# KiCad board coco2.kicad_pcb (continued)
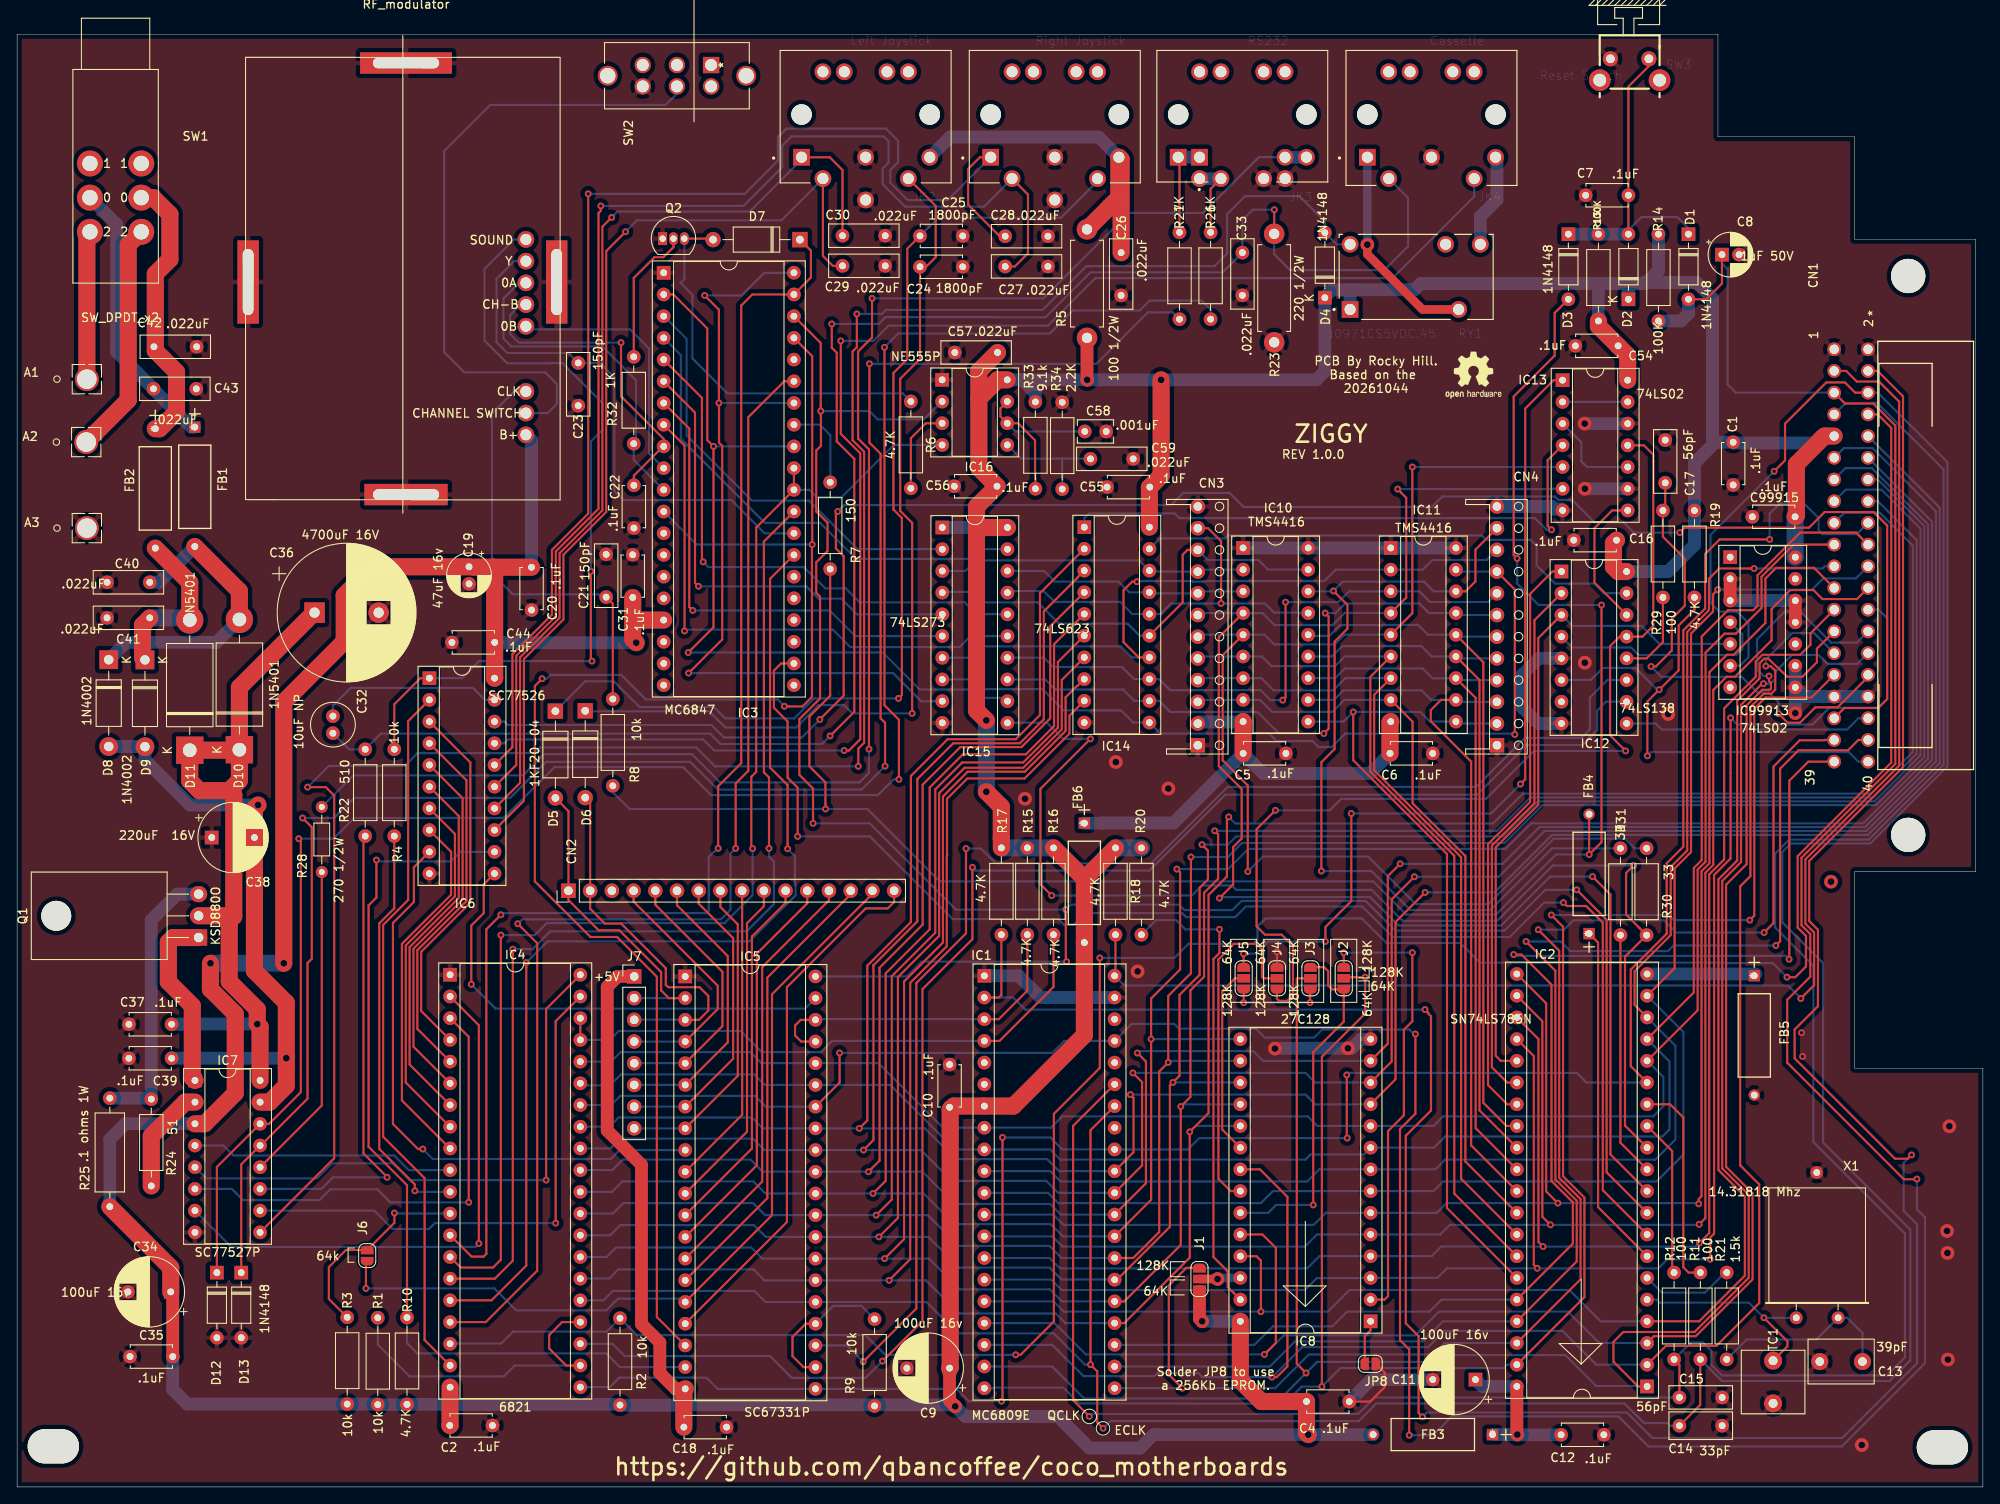
[diagram p0: board, top side]
## Routing (per net, layer and track width the routed paths; a pad name or vN(x,y) marks a point on that pad's centre or on a via; arc(x,y) is an arc through that point) (continued)
/peripherals/+SALT_VIN: length 89.2
  Top w2: D10.1 25.95,86.21 D11.1 20.2,82.61 21.33,81.49 24.83,81.49 ; D10.1 26.01,82.67 24.83,81.49 ; D10.1 26.01,93.56 34.76,102.31 C36.1 ; 24.83,66.25 24.83,59.15 28.1,55.88 v1(28.1,54.16) 28.43,53.83 IC7.16 ; 24.83,66.25 25.35,66.77 25.35,80.96 24.83,81.49 ; 24.83,66.25 24.24,66.83 Q1.2
  Bottom w1.5: v1(28.1,54.16) 19.23,54.16 19.21,54.14 C37.2
/peripherals/-SALT_VIN: length 73.2
  Top w1.5: 31.42,50.1 v1(31.5,50.18)
  Top w2: IC7.15 29.56,45.03 31.5,46.97 v1(31.5,50.18) 31.5,56.65 27.77,60.38 C38.2 27.77,79.38 v1(28.19,79.8)
  Bottom w1.5: C39.1 31.48,50.16 v1(31.5,50.18) ; 10.72,86.64 14.94,86.64 D9.2 14.96,85.06 20.22,79.8 v1(28.19,79.8)
/peripherals/CASS_DATA_IN: length 202.3
  Top w0.25: v2(147.09,149.46) 147.08,149.45 147.08,146.64 ; v2(95.32,136.09) 95.32,133.31 95.9,132.73 95.9,122.35 97.95,120.3 97.95,90.7 95.59,88.34 95.58,88.34 v2(95.12,87.88)
  Bottom w0.25: C32.1 38.83,86.32 R22.1 42.56,88.15 81.09,88.15 82.3,86.94 94.18,86.94 v2(95.12,87.88) ; v2(95.32,136.09) 100.8,136.09 101.59,136.88 114.69,136.88 114.7,136.87 120.32,136.87 125.58,142.13 141.05,142.13 C33.2 143.36,145.57 143.35,145.58 143.35,148.24 144.57,149.46 v2(147.09,149.46) ; JK4.4 162.74,150.84 162.74,145.18 159.94,142.38 148.95,142.38 147.08,144.25 147.08,146.64
/peripherals/CASS_DATA_OUT_TTL: length 65.4
  Top w0.25: IC4.2 54.03,54.02 v2(54.03,28.48)
  Bottom w0.25: v2(54.03,28.48) 53.63,28.08 25.06,28.08 20.81,32.33
/peripherals/CASS_M_IN_TTL: length 63.5
  Top w0.25: v2(63.01,30.86) 63.01,54.5 IC4.39
  Bottom w0.25: 28.43,32.33 41.79,32.33 43.94,30.18 48.18,30.18 48.86,30.86 v2(63.01,30.86)
/peripherals/CASS_MTR_OUT: length 248.8
  Top w0.25: 98.42,84.3 v2(98.42,84.33) 98.42,86.4 99.1,87.08 99.1,121.14 97.75,122.49 97.75,132.86 98.25,133.36 v2(98.25,137.26) ; IC7.9 37.1,38.46 37.1,80.9 36.11,81.89 v2(33.99,81.89)
  Bottom w0.25: 33.92,81.83 v2(33.99,81.89) 36.47,84.38 45.35,84.38 46.85,85.88 60.5,85.88 61.15,86.53 79.45,86.53 81.65,84.33 v2(98.42,84.33) ; v2(98.25,137.26) 101.18,137.26 101.65,137.73 119.98,137.73 125.11,142.86 140.12,142.86 141.57,144.31 141.57,148.95 143.66,151.04 150.04,151.04 153.01,148.07 D4.2 154.38,145.41 RY1.A2
/peripherals/CD_IN: length 217.6
  Top w0.25: 28.43,39.95 26.22,37.75 26.22,25.05 ; 28.43,39.95 28.5,39.95 33.97,45.43 33.97,61.3 34.47,61.8 34.47,77.2 v2(33.4,78.28) ; 28.43,39.95 28.43,39.96 ; v2(99.72,131.43) 99.72,122.21 101.03,120.9 101.03,89.95 101.55,89.43 v2(101.55,84.35)
  Bottom w0.25: 33.27,78.28 v2(33.4,78.28) 37.08,78.28 39.42,80.62 57.67,80.62 61.9,84.85 78.75,84.85 82,81.6 98.8,81.6 v2(101.55,84.35) ; v2(99.72,131.43) 126.26,131.43 132.28,137.45 135.2,137.45 R27.1
/peripherals/CD_OUT_TTL: length 68.9
  Top w0.25: IC4.40 61.9,55.93 v2(61.9,35.9)
  Bottom w0.25: v2(61.9,35.9) 45.9,35.9 43.93,37.87 36.85,37.87 35.1,36.12 22.1,36.12 IC7.5
/peripherals/CSS: length 157.2
  Top w0.25: D7.1 92.87,144.68 92.87,141.53 IC3.39 86.02,139.54 84.73,138.25 84.73,84.7 82.02,82 v2(82.02,74.72) ; v2(56.6,66.95) 54.9,65.25 54.9,27.28 54.58,26.95 53.17,26.95 51.47,28.65 51.46,28.65 IC4.13
  Bottom w0.25: v2(56.6,66.95) 56.8,67.15 80.65,67.15 80.93,67.43 80.93,73.73 81.53,74.33 81.63,74.33 v2(82.02,74.72)
/peripherals/GM1: length 125.3
  Top w0.25: v2(58,62.93) 58,26.47 55.89,24.37 IC4.15 ; v2(87.98,74.72) 87.98,83.03 87.37,83.62 87.37,110.62 90.89,114.14
  Bottom w0.25: v2(58,62.93) 60.3,62.93 62.4,65.03 85.37,65.03 88.55,68.2 88.55,73.18 87.98,73.75 v2(87.98,74.72)
/peripherals/GM2: length 123
  Top w0.25: IC4.16 55.51,21.83 59.58,25.9 v2(59.58,61.35) ; IC3.27 88.1,106.27 88.1,84.18 90.15,82.12 v2(90.15,74.68)
  Bottom w0.25: v2(90.15,74.68) 91,73.83 91,70.42 91.09,70.33 91.09,69.24 85.7,63.85 62.08,63.85 v2(59.58,61.35)
/peripherals/HI_LO: length 69.9
  Top w0.25: v2(47.47,39.54) 46.9,39.54 43.98,42.47 43.98,66 46.42,68.45 46.42,72.5 IC6.9
  Bottom w0.25: IC5.9 70.5,39.42 69.45,38.37 48.64,38.37 v2(47.47,39.54)
/peripherals/JOY0: length 146.2
  Top w0.25: C28.2 114.96,146.36 111.27,150.05 111.27,154.23 112.65,155.6 JK1.1 ; v2(66.82,151.32) 66.82,113.9 62.58,109.65 62.58,102.08 57.95,97.45 57.95,86.57 IC6.16
  Bottom w0.25: 66.81,151.32 v2(66.82,151.32) 85.13,151.32 89,155.19 89,157.94 90.01,158.95 101.64,158.95 103.08,157.51 103.08,155.02 102.17,154.11 102.17,152.61 104.2,150.58 108.87,150.58 113.89,155.6 JK1.1
/peripherals/JOY1: length 147.6
  Top w0.25: IC6.15 58.4,84.48 58.4,97.26 63.03,101.89 63.03,109.46 68.03,114.46 68.03,149.06 68.3,149.33 v2(68.3,149.9) ; JK1.2 118.27,151.23 118.27,144.35 116.74,142.82 C27.1
  Bottom w0.25: v2(68.3,149.9) 84.98,149.9 89.52,154.44 89.52,156.96 90.61,158.05 101.37,158.05 101.96,157.46 101.96,154.98 101.27,154.29 101.27,152.45 103.91,149.81 113.12,149.81 JK1.2
/peripherals/JOY2: length 113.2
  Top w0.25: JK2.1 95.08,155.6 96.57,154.11 C30.2 ; IC6.14 58.85,82.39 58.85,97.08 63.48,101.7 63.48,109.28 68.48,114.28 68.48,147.47 v2(69.57,148.56)
  Bottom w0.25: 69.56,148.55 v2(69.57,148.56) 70.25,149.24 85.7,149.24 91.78,155.32 JK2.1
/peripherals/JOY3: length 113.9
  Top w0.25: C29.1 95.44,142.89 94.28,144.05 JK2.2 ; v2(71.19,146.88) 68.93,144.62 68.93,114.09 63.93,109.09 63.93,101.52 59.3,96.89 59.3,80.3 IC6.13
  Bottom w0.25: JK2.2 93.31,152.13 93.31,152.09 89.44,148.22 72.53,148.22 v2(71.19,146.88)
/peripherals/KR1: length 38.2
  Top w0.25: D5.2 64.51,79.09 CN2.1 64.51,68.67 68.05,65.13 70.47,65.13 75.35,60.25 75.35,58.1 76.25,57.2 IC5.2
  Bottom w0.25: IC5.2 J7.2
/peripherals/KR2: length 43.3
  Top w0.25: IC5.3 79.79,54.66 80.87,55.75 80.87,57.45 79.85,58.47 76.23,58.47 75.9,58.72 75.9,60.7 70.67,65.93 68.77,65.93 67.05,67.65 CN2.2 67.05,80.08 D6.2
  Bottom w0.25: IC5.3 77.04,54.66 77.02,54.68 72.21,54.68 J7.3
/peripherals/KR3: length 30.2
  Top w0.25: IC5.4 81.98,55.93 81.98,58.65 72.13,68.5 CN2.4
  Bottom w0.25: 73.16,52.12 J7.4 72.21,52.11 78.16,52.11 IC5.4
/peripherals/KR4: length 31.2
  Top w0.25: CN2.5 74.67,68.13 82.52,60.28 82.52,53.94 IC5.5
  Bottom w0.25: IC5.5 J7.5
/peripherals/KR5: length 33.2
  Top w0.25: IC5.6 83.15,52.02 83.15,62.12 77.21,68.06 CN2.6
  Bottom w0.25: J7.6 72.21,47.05 77.03,47.05 77.04,47.04 IC5.6
/peripherals/KR6: length 35.2
  Top w0.25: IC5.7 83.77,50.11 83.77,64.22 79.75,68.25 CN2.7
  Bottom w0.25: IC5.7 J7.7
/peripherals/KR7: length 37.2
  Top w0.25: CN2.8 82.29,67.86 84.33,65.83 84.33,48.12 IC5.8
  Bottom w0.25: IC5.8 J7.8
/peripherals/SELA: length 56
  Top w0.25: v2(53.14,58.82) 53.14,65.69 54.6,67.15 54.6,70.52 IC6.11
  Bottom w0.25: IC5.39 92.19,55.98 55.98,55.98 v2(53.14,58.82)
/peripherals/SELB: length 106.9
  Top w0.25: R10.1 45.62,35.31 41.12,39.8 41.12,68.05 42.04,68.97 v2(42.04,73.36)
  Bottom w0.25: R10.1 45.62,16.83 46.83,15.62 68.94,15.62 70.54,14.02 IC5.19 ; 42.07,73.39 v2(42.04,73.36) 42.27,73.19 50.73,73.19 51.86,74.32 IC6.12
/peripherals/SER_DATA_IN_TTL: length 56.2
  Top w0.25: v2(52.84,33.31) 52.84,52.67 IC4.3
  Bottom w0.25: IC7.6 25.14,34.87 26.44,33.57 35.39,33.57 36.65,34.83 42.14,34.83 43.66,33.31 v2(52.84,33.31)
/peripherals/SER_DATA_OUT: length 37.5
  Top w0.25: 35.65,71.95 35.65,44.63 IC7.12
/peripherals/SER_DATA_OUT_TTL: length 31
  Bottom w0.25: 20.81,39.95 24.14,39.95 25.31,38.78 44.12,38.78 45.83,37.07 IC4.10
/peripherals/SERIAL_DATA_IN: length 224.7
  Top w0.25: v2(101.48,133.36) 101.48,91.47 103.17,89.78 v2(103.17,82.8) ; D12.1 23.38,37.44 28.43,42.49 29.49,42.49 33.2,46.2 33.2,75.6 v2(32.95,75.85)
  Bottom w0.25: v2(101.48,133.36) 103.09,134.97 120.83,134.97 123.53,137.67 131.35,137.67 132.5,138.82 138.6,138.82 139.64,137.78 R26.1 ; v2(32.95,75.85) 37,75.85 39.43,78.27 48.78,78.27 48.81,78.3 55.29,78.3 55.32,78.27 56.4,78.27 56.43,78.3 56.95,78.3 62.87,84.23 77.92,84.23 81.2,80.95 100.7,80.95 102.55,82.8 v2(103.17,82.8)
/peripherals/~{A}_G: length 145.4
  Top w0.25: v2(84.08,74.72) 84.08,82.33 85.55,83.8 85.55,125.17 89.76,129.38 IC3.35 ; IC4.17 54.84,19.29 60.85,25.3 60.85,63.62 v2(58.58,65.9)
  Bottom w0.25: v2(84.08,74.72) 83.47,74.12 83.47,67.54 82.35,66.43 59.1,66.43 v2(58.58,65.9)
/peripherals/~{INT}_EXT: length 148.5
  Top w0.25: v2(56.6,64.58) 56.6,26.6 55.67,25.67 51.9,25.67 IC4.14 ; IC3.31 IC3.30 86.48,112.27 86.48,83.68 85.9,83.1 85.9,74.85 v2(86.05,74.7)
  Bottom w0.25: v2(86.05,74.7) 86.05,69.25 82.77,65.97 61.97,65.97 60.58,64.58 v2(56.6,64.58) ; IC16.4 102.58,121.93 96.49,115.84 93.53,115.84 92.69,116.68 IC3.30
/Q: length 288.2
  Top w0.25: v2(125.45,8.25) 123.55,10.15 123.55,42.25 IC1.35 ; R12.1 194.49,14.3 C15.2
  Bottom w0.25: C15.2 158.83,10.47 156.89,8.53 125.73,8.53 v2(125.45,8.25) ; CN1.7 213.94,126.85 217.61,126.85 225.4,119.06 225.4,84.51 216.64,75.75 207.33,75.75 205.7,74.12 205.7,65.46 210.16,61 210.16,40.36 220.88,29.64 220.88,15.18 218.75,13.05 199.46,13.05 198.25,14.26 198.25,15.91 197.26,16.9 195.84,16.9 R12.1 193.67,14.93 193.64,14.9
/roms/128K_ROM_~{CE}: length 99.3
  Top w0.25: v2(153.07,63.83) 153.07,65.53 156.1,68.55 v2(156.1,78.8) ; IC13.1 179.77,129.51 176.45,126.19 176.45,82.8 v2(175.9,82.25) ; v2(143.5,62.4) 143.5,60.83 143.51,60.82
  Bottom w0.25: 143.27,62.4 v2(143.5,62.4) 144.98,62.4 146.4,63.83 v2(153.07,63.83) ; v2(175.9,82.25) 172.45,78.8 v2(156.1,78.8)
/roms/A11_OR_A12: length 41.6
  Top w0.25: v2(151.65,33) 151.65,50.88 155.22,54.44 J2.1 154.47,58.22 154.47,58.22 153.85,58.22 153.4,58.68 153.4,60.35 152.93,60.82 151.32,60.82
  Bottom w0.25: v2(151.65,33) 147.3,33 146.38,32.08 IC8.23
/roms/A12_OR: length 53.3
  Top w0.25: IC8.2 160,21.92 160.4,22.33 160.4,41.64 162.25,43.49 162.25,53.5 163.25,54.5 v2(163.25,62.52) ; 155.22,60.82 v2(155.22,62.52)
  Bottom w0.25: v2(155.22,62.52) v2(163.25,62.52)
/roms/A13_VCC: length 5
  Top w1: v1(140.45,24.33) J1.2 ; IC8.26 142.99,24.33
  Bottom w1: IC8.26 140.58,24.46 v1(140.45,24.33)
/roms/~{CE_}A11: length 22.3
  Top w0.25: J5.2 142.51,59.52 141,58.01 141,41.82 IC8.20
/roms/~{CS_BASIC}: length 115.3
  Top w0.25: v2(147.23,79.18) 145.02,76.97 145.02,65.6 146,64.62 147.95,64.62 149.27,63.3 149.27,57.52 148.62,56.88 147.65,56.88 147.4,57.12 147.4,57.71 147.41,57.72 J4.3 ; IC13.11 190.34,121.89 191.43,120.8 191.43,120 191.43,119.99 191.43,100.76 190.18,99.5 IC12.13 188.24,99.58 187.57,99.58 186.38,98.38 186.38,87.95 v2(188.2,86.12)
  Bottom w0.25: v2(147.23,79.18) 153.57,79.18 154.93,80.53 171.88,80.53 177.48,86.12 v2(188.2,86.12)
/roms/~{ROM_OE}: length 40
  Top w0.25: J4.2 145.83,59.52 145.65,59.7 145.65,62.9 145,63.55 142.38,63.55 140.55,61.72 140.55,36.06 141.99,34.62 IC8.22
/R~{W}: length 258.7
  Top w0.25: v2(115.18,10.03) 115.29,10.14 v2(115.29,40.89) ; 190.71,47.32 188.8,49.23 188.8,60.54 193,64.74 193,72.97 194.95,74.92 194.95,100.24 197.5,102.79 197.5,109.17 199.21,110.88 v2(205.05,110.88) ; v2(155.57,48.21) 155.57,40.88 v2(155.62,40.83)
  Bottom w0.25: v2(155.62,40.83) 138.33,40.83 136.99,39.49 IC1.32 127.28,39.49 127.26,39.51 122.27,39.51 120.89,40.89 v2(115.29,40.89) ; 190.71,47.32 183.62,47.32 182.49,48.45 155.81,48.45 v2(155.57,48.21) ; v2(205.05,110.88) 205.05,113.9 206.23,115.08 209.07,115.08 210.78,113.38 210.78,111.95 211.23,111.5 215.25,111.5 CN1.18 ; v2(115.18,10.03) 111.36,10.03 109.91,11.48 IC5.21 81.95,11.48 80.65,12.78 70.46,12.78 69.35,11.67 IC4.21
/sam/DA0: length 165.8
  Top w0.25: IC2.8 185.52,34.73 185.52,66.03 183.57,67.98 181.32,67.98 v2(180.93,68.38) ; v2(91.33,76.12) 91.33,81.83 90.15,83 90.15,89.58 88.55,91.17 88.55,95.53 89.39,96.36 IC3.22
  Bottom w0.25: v2(180.93,68.38) 178.68,68.38 174.65,64.35 160.95,64.35 157.38,67.93 143.77,67.93 142.52,66.68 136.77,66.68 136.3,67.15 124.95,67.15 123.58,65.78 122.5,65.78 121.83,66.45 109.45,66.45 99.77,76.12 v2(91.33,76.12)
/sam/~{CS_EXTENDED_BASIC}: length 16.5
  Top w0.25: IC13.8 186.62,114.27 184.55,112.2 184.55,105.83 188.31,102.07 IC12.14
/sam/~{RAS_}CP: length 141.4
  Top w0.25: v2(125.58,87.54) 119.73,81.69 119.73,70.53 v2(121.05,69.2) 121.23,69.2 ; IC2.12 188.12,42.29 188.12,62.04 R30.2 188.25,66.97 188.25,71.85 v2(189.12,72.72)
  Bottom w0.25: v2(189.12,72.72) 179.68,72.72 176.4,69.45 176.38,69.45 173.18,66.25 162.1,66.25 158.48,69.88 142.62,69.88 142.12,70.38 138.6,70.38 137.43,69.2 v2(121.05,69.2) ; IC15.11 117,89.41 117.02,89.43 120.48,89.43 122.37,87.54 v2(125.58,87.54)
/VDGCLK: length 235
  Top w0.25: 183.95,78.47 183.93,78.44 183.93,74 v2(183.93,74) 185.38,75.44 v2(185.38,103.2) ; D3.2 179.9,137.38 179.9,132.4 175.1,127.6 175.1,109.05 v2(175.5,108.65) ; R7.1 95.13,92.58 92.7,90.15 92.7,84.33 94.58,82.45 94.58,79.91 94.59,79.9 v2(94.59,79.33)
  Bottom w0.25: v2(183.93,74) 180.06,74 173.03,66.97 162.55,66.97 158.66,70.86 107.95,70.86 99.48,79.33 v2(94.59,79.33) 71.66,79.33 69.7,81.29 R8.2 ; v2(185.38,103.2) 178.03,103.2 175.5,105.73 v2(175.5,108.65)
/video/DD0: length 50.5
  Bottom w0.25: IC15.2 98.33,109.73 92.64,115.42 85.97,115.42 78.33,123.06 78.33,134.35 75.68,137 75.65,137
/video/DD1: length 57.1
  Bottom w0.25: IC15.19 112.86,109.73 111.73,108.6 98.16,108.6 93.95,112.81 87.49,112.81 77.67,122.63 77.67,132.44 IC3.4
/video/DD2: length 63.8
  Top w0.25: 75.65,131.92 80.12,127.45 80.12,108.4 v2(80.27,108.25)
  Bottom w0.25: 80.2,108.32 v2(80.27,108.25) 80.87,107.65 92.05,107.65 94.54,105.16 96.93,105.16 98.57,103.52 110.85,103.52 112.23,102.14 114.71,102.14 114.74,102.11 IC15.16
/video/DD3: length 55.6
  Top w0.25: IC3.6 79.32,125.72 79.32,105.79 v2(79.71,105.39)
  Bottom w0.25: v2(79.71,105.39) 92.33,105.39 93.77,103.95 96.43,103.95 98.27,102.11 IC15.5
/video/DD4: length 56.1
  Top w0.25: 75.65,126.84 78.65,123.84 78.65,102.97 v2(79.05,102.57)
  Bottom w0.25: v2(79.05,102.57) 95.06,102.57 98.06,99.57 IC15.6
/video/DD5: length 64.4
  Top w0.25: IC3.8 78.09,121.86 v2(78.09,100.16)
  Bottom w0.25: v2(78.09,100.16) 78.24,100.31 95.45,100.31 97.48,98.28 110.27,98.28 111.55,99.56 114.73,99.56 114.74,99.57 IC15.15
/video/DD6: length 95.3
  Top w0.25: IC3.2 76.78,139.54 80.75,135.57 80.75,122.5 v2(81.48,121.77) 81.48,100.6 v2(78.52,97.64)
  Bottom w0.25: v2(78.52,97.64) 101.27,97.64 105.59,93.32 111.61,93.32 112.6,92.33 115.49,92.33 IC15.12 ; v2(81.48,121.77) 89.75,121.77 89.76,121.76 90.89,121.76
/video/DD7: length 98.1
  Top w0.25: v2(80.44,139.43) 82.11,137.76 v2(82.11,126.84) 82.12,126.83 82.12,122.2 82.5,121.82 82.5,99.17 v2(78.56,95.23)
  Bottom w0.25: 82.1,126.84 v2(82.11,126.84) 90.89,126.84 ; IC15.9 107.12,91.95 107.1,91.93 105.79,91.93 102.49,95.23 v2(78.56,95.23) ; IC3.40 87.42,142.08 84.77,139.43 v2(80.44,139.43)
/video/RF_SND: length 92.8
  Top w0.25: v2(67.26,96.63) 67.13,96.76 v2(67.13,107.14) ; IC6.1 47.19,94.64 44.13,91.58 R4.1
  Bottom w0.25: v2(67.26,96.63) 54.05,96.63 52.06,94.64 IC6.1 ; MDV-6.8 58.15,145.98 54.69,142.52 54.69,134.15 57.35,131.49 62.36,131.49 62.37,131.5 63.83,131.5 68.48,126.85 68.48,123.7 67.13,122.35 v2(67.13,107.14)
/~{CART}: length 280.2
  Top w0.25: CN1.8 217.69,125.51 219.28,123.93 219.28,84.76 208.32,73.81 208.32,65.45 209.3,64.47 209.3,60.9 208.05,59.65 v2(207.07,59.65) ; v2(116.84,15.46) 117.41,15.46 121.3,19.35 121.3,43.65 126.67,49.03 v2(126.67,61.9)
  Bottom w0.25: IC4.18 50.69,16.78 56.63,16.78 58.01,18.16 68.96,18.16 R2.1 72.51,17.77 99.25,17.77 101.56,15.46 v2(116.84,15.46) ; v2(207.07,59.65) 205.43,61.3 200,61.3 199.95,61.35 171.15,61.35 168.85,63.65 160.23,63.65 157.35,66.53 146.07,66.53 145.12,65.58 145.12,64.08 144.6,63.55 137.05,63.55 135.4,61.9 v2(126.67,61.9)
/~{CS_PIA0}: length 160.7
  Top w0.25: 105.23,58.95 105.23,58.97 111.02,64.77 v2(111.02,74.7) ; v2(98.99,14.65) 105.21,20.87 105.21,58.95
  Bottom w0.25: 110.82,74.7 v2(111.02,74.7) 112.77,74.7 114.49,72.98 132.68,72.98 132.69,72.97 141.64,81.92 170.71,81.92 176.44,87.65 183,87.65 184.01,88.66 184.01,92.37 186.08,94.44 187.16,94.44 187.18,94.42 IC12.11 ; v2(98.99,14.65) 97.08,16.56 IC5.23
/~{CSPIA1}: length 186.2
  Top w0.25: v2(101.25,14.72) 105.92,19.4 105.92,58.25 111.77,64.09 v2(111.77,72.5)
  Bottom w0.25: IC12.10 185.9,91.88 184.85,90.83 184.85,88.54 183.13,86.82 176.64,86.82 170.83,81.01 141.37,81.01 132.48,72.12 112.15,72.12 v2(111.77,72.5) ; IC4.23 69.65,16.75 71.09,15.31 88.09,15.31 90.63,12.77 99.3,12.77 v2(101.25,14.72)
/~{CTS}: length 56
  Top w0.25: v2(206.1,90.48) 207.15,89.42 208.59,89.42 210.39,91.23 213,91.23 216.56,94.79 CN1.32 ; C17.2 192.83,114.52 R29.1 192.56,111.19 195.12,108.63 195.12,103.12 193.6,101.6 193.6,97.87 191.74,96.01 v2(191.17,96.01)
  Bottom w0.25: v2(206.1,90.48) 206.1,91.8 204.93,92.97 203.6,92.97 201.78,94.8 192.38,94.8 v2(191.17,96.01)
/~{FIRQ}: length 68.6
  Top w0.25: IC4.38 IC4.37 ; IC1.4 114.94,52.19 121.26,58.51 R16.2
  Bottom w0.25: IC4.37 69.35,52.31 70.39,53.35 84.65,53.35 87.13,50.87 94.03,50.87 95.35,52.19 IC1.4
/~{FS}: length 183.1
  Top w0.25: v2(61.42,94.58) 60.58,93.73 60.58,70.86 67.08,64.35 70.2,64.35 74.85,59.7 74.85,19.88 IC5.18 ; IC3.37 93.02,132.32 v2(93.02,110.27) 93,110.25 93,92.45 91.87,91.33 90.37,91.33 90.34,91.35 v2(89.77,91.35)
  Bottom w0.25: v2(93.02,110.27) 79.52,110.27 75.65,114.14 ; v2(89.77,91.35) 88.98,92.15 73.55,92.15 70.67,95.03 62.44,95.03 61.99,94.58 v2(61.42,94.58)
/~{HALT}: length 170.8
  Top w0.25: v2(208.7,57.16) 210.25,58.71 210.25,64.89 209.23,65.91 209.23,73.44 220.2,84.41 220.2,127 217.85,129.35 215.25,129.35 214.01,130.59 CN1.3 ; IC1.40 128.51,59.91 R18.2
  Bottom w0.25: IC1.40 129.55,58.67 207.19,58.67 v2(208.7,57.16)
/~{HS}: length 254.6
  Top w0.25: 90.89,137 94.02,133.87 94.02,126.46 94.03,126.46 v2(94.03,125.89) 94.03,125.32 94.05,125.3 94.05,121.83 93.5,121.28 93.5,114.15 94.83,112.83 94.83,109.53 93.5,108.2 93.5,104.62 93.95,104.18 93.95,92.28 91.52,89.85 91.52,83.33 93.12,81.73 v2(93.12,77.65) ; v2(182.48,69.88) 185.98,66.38 185.98,36.81 IC2.9 ; v2(122.79,61.46) 122.7,61.55 v2(122.7,67.55)
  Bottom w0.25: v2(122.79,61.46) 105.82,61.46 104.1,59.74 IC5.40 ; v2(182.48,69.88) 178.8,69.88 174.03,65.1 161.25,65.1 157.77,68.58 143.25,68.58 142.18,67.5 136.59,67.5 135.96,68.12 123.27,68.12 v2(122.7,67.55) 109.85,67.55 99.75,77.65 v2(93.12,77.65) ; IC16.2 107.43,126.21 107.36,126.21 106.08,124.93 100.68,124.93 99.72,125.89 v2(94.03,125.89)
/~{IRQ}: length 39.3
  Top w0.25: IC5.38 92.28,54.66 92.27,54.65 91.67,54.65 91.02,54 91.02,52.83 91.73,52.12 IC5.37 ; 113.17,54.73 114.86,54.73 118.2,58.08 R15.2
  Bottom w0.25: 113.17,54.73 93.48,54.73 IC5.38
/~{NMI}: length 307.5
  Top w0.25: v2(164.73,55.86) 165.12,55.46 165.12,55.38 165.43,55.08 165.43,44.05 162.48,41.1 162.48,19.15 163.98,17.65 163.98,8.65 v2(164.43,8.2) 164.33,8.3 ; CN1.4 217.69,130.59 220.65,127.63 220.65,84.23 209.68,73.25 209.68,66.22 210.7,65.2 210.7,56.25 207.98,53.53 207.98,50.15 219.73,38.4 221.2,38.4 v2(221.65,38.85) ; R17.2 115.16,57.56 114.87,57.27 IC1.2
  Bottom w0.25: 164.87,55.86 v2(164.73,55.86) 117.95,55.86 116.54,57.27 IC1.2 ; v2(221.65,38.85) 220.73,37.93 220.73,32.3 222.3,30.72 222.3,14.5 213.53,5.72 191.32,5.72 188.35,8.7 164.93,8.7 v2(164.43,8.2)
/~{RESET}: length 395
  Top w0.25: D1.2 197.63,138.98 199.47,140.82 C8.1 ; v2(96.23,50.79) 96.23,47.32 IC5.34 ; v2(222.28,36.03) 222.25,36 220.75,36 207.1,49.65 207.1,57 209.8,59.7 209.8,64.7 208.78,65.72 208.78,73.63 219.75,84.6 219.75,124.2 217.18,126.78 213.87,126.78 CN1.5 ; v2(163.6,53) 163.6,43.68 161.8,41.88 161.8,17.18 162.88,16.1 v2(162.88,6.05)
  Bottom w0.25: IC4.34 69.5,44.69 70.57,45.76 86.33,45.76 87.59,44.5 IC5.34 ; v2(222.28,36.03) 222.28,32.5 223.23,31.55 223.23,14.47 213.48,4.72 190.88,4.72 187.35,8.25 167.85,8.25 165.65,6.05 v2(162.88,6.05) ; CN1.5 201.08,128.05 200.13,129 200.13,142.49 199.47,143.15 C8.1 ; v2(96.23,50.79) 121.12,50.79 122.52,52.19 IC1.37 129.28,53.06 129.28,53.07 130.39,54.18 135.38,54.18 135.94,53.62 144.93,53.62 145.97,52.58 151.76,52.58 152.71,53.53 162.9,53.53 163.42,53 v2(163.6,53)
  Bottom w1.5: D1.2 195.55,137.85 195.57,137.83 195.57,137.33 194.68,136.44 R14.2
/~{SCS}: length 29.1
  Bottom w0.25: IC12.9 191.73,89.34 192.43,88.64 214.12,88.64 215.43,89.95 CN1.36
/~{SLENB}: length 60.4
  Top w0.25: v2(190.74,85.55) 190.74,91.91 v2(192.12,93.29) 192.14,93.29 194.4,95.55 194.4,100.8 196.25,102.65 R19.2
  Bottom w0.25: IC12.6 181.82,94.42 181.84,94.44 184.15,94.44 185.54,95.83 189.35,95.83 191.89,93.29 v2(192.12,93.29) ; v2(190.74,85.55) 191.19,86 214.3,86 215.43,84.87 CN1.40
Net-(A1-Pad1): length 17.4
  Top w2: A1.1 8.16,146.51 SW1.3
Net-(A2-Pad1): length 27.3
  Top w2: SW1.6 13,145.35 13,127.18 A2.1
Net-(C7-Pad1): length 37.9
  Top w0.25: D2.2 C7.1 188.53,163.88 190.92,166.27 SW3.1
  Bottom w0.25: D2.2 188.53,147.08 190.05,148.6 194.23,148.6 195.55,147.28 D1.1
  Bottom w1.5: D3.1 D2.2
Net-(C11-Pad1): length 18.7
  Top w1.5: IC2.40 175.47,6.28
  Bottom w1.5: IC2.40 171.43,11.76 C11.1 ; C12.2 175.65,6.1 175.57,6.18 v1(175.53,6.12) FB3.1
Net-(C13-Pad1): length 22.2
  Bottom w0.25: C13.1 215.91,18 214.12,19.79 X1.1 210.52,17.25 202.35,17.25 200,14.9 199.8,14.9
Net-(C21-Pad2): length 50.5
  Top w0.25: C21.2 69.7,103.35 R8.1
  Bottom w0.25: C21.2 68.35,104.13 68.02,104.46 57.99,104.46 55.56,106.89 55.56,125.61 58.15,128.2 59.53,128.2
Net-(C22-Pad1): length 38.2
  Top w0.25: v2(70.66,133.91) 70.66,127.63 75.65,122.63 75.65,121.76 75.58,121.76 72.16,118.34 C22.1
  Bottom w0.25: v2(70.66,133.91) 58.69,133.91 57.67,134.93 57.67,137.11 58.92,138.36 MDV-6.5
Net-(C23-Pad2): length 63.6
  Bottom w0.25: MDV-6.7 58.15,143.44 56.09,141.38 56.09,133.96 57.36,132.69 64.49,132.69 C23.2 68.18,131.53 69.88,129.83 69.88,116.55 70.95,115.48 83.59,115.48 87.47,111.6 IC3.28
Net-(C24-Pad1): length 107.8
  Top w0.25: v2(104.72,90.52) 104.72,112.82 103.33,114.21 103.33,129.68 105.64,131.99 C24.1 106.36,142.78 107.48,143.9 107.48,149.91 JK2.4
  Bottom w0.25: v2(104.72,90.52) 97.72,90.52 96.75,91.49 93.78,91.49 91.16,88.87 82.87,88.87 80.97,90.77 65.77,90.77
Net-(C25-Pad1): length 124.8
  Top w0.25: v2(103.12,92.27) 103.52,92.67 103.52,113.38 102.52,114.38 102.52,130.35 104.15,131.98 104.15,144.9 C25.1
  Bottom w0.25: 62.28,90.73 62.93,90.73 66.48,94.28 69.81,94.28 72.83,91.26 81.52,91.26 82.85,89.93 90.93,89.93 93.27,92.27 v2(103.12,92.27) ; C25.1 107.78,148.53 122.14,148.53 126.41,152.8 JK1.4
Net-(C26-Pad1): length 45.3
  Top w2: 125.18,147.16 128.91,150.89 JK1.5 129.17,155.34 C26.1
  Bottom w1.5: JK1.5 126.55,157.96 109.14,157.96 JK2.5
Net-(C32-Pad2): length 21.6
  Bottom w0.25: IC6.19 54.73,92.1 53.32,93.51 39.05,93.51 36.95,91.41 C32.2
Net-(C40-Pad1): length 35.3
  Top w2: D10.2 26.01,104.83 FB1.2
  Bottom w1.5: 15.87,105.86 C40.1 16.61,105.86 20.79,110.04 FB1.2 ; D8.1 12.75,98.83 23.33,98.83 D10.2
Net-(C41-Pad1): length 20.2
  Top w2: C41.1 14.67,100.85 14.67,97.07 D9.1 ; D11.2 20.2,105.83 FB2.2
  Bottom w2: C41.1 19.95,101.7 D11.2
Net-(C42-Pad1): length 32.3
  Top w2: FB2.1 16.68,123.83 18.65,125.8 18.65,130.48 16.17,132.96 16.17,141.94 17.88,143.65 17.88,148.93 15.93,150.87 SW1.5
Net-(C43-Pad1): length 32.2
  Bottom w1.5: SW1.2 11.65,147.74 11.65,132.81 C43.1 15.96,128.45 20.39,124.02 FB1.1
Net-(C58-Pad1): length 22.4
  Top w0.25: R33.1 119.14,117.94 119.1,117.98 119.1,122.48 117.11,124.47 IC16.6 115.05,125.27 115.05,126.21 IC16.7
  Bottom w0.25: IC16.6 116.81,123.51 C58.1
Net-(C59-Pad1): length 14
  Bottom w0.25: C59.1 125.55,120.33 122.28,120.33 122.27,120.32 ; R34.2 122.28,120.31 122.27,120.32 ; IC16.5 117.45,120.33 122.26,120.33 122.27,120.32
Net-(CN2-Pad9): length 35.6
  Top w0.25: 78.17,36.88 84.83,43.54 CN2.9
Net-(CN2-Pad10): length 39.2
  Top w0.25: CN2.10 87.37,67.94 85.4,65.97 85.4,41.57 IC5.11
Net-(CN2-Pad11): length 42.8
  Top w0.25: IC5.12 85.98,39.61 85.98,64.4 89.91,68.34 CN2.11
Net-(CN2-Pad12): length 46.4
  Top w0.25: CN2.12 92.45,68.3 86.55,62.4 86.55,37.64 IC5.13
Net-(CN2-Pad13): length 50
  Top w0.25: IC5.14 87.17,35.72 87.17,60.83 94.99,68.64 CN2.13
Net-(CN2-Pad14): length 53.6
  Top w0.25: CN2.14 97.53,69.36 87.77,59.6 87.77,33.78 IC5.15
Net-(CN2-Pad15): length 99.6
  Top w0.25: J6.1 40.82,26.28 v2(40.82,23.22) ; IC5.16 88.33,31.8 88.33,57.65 100.07,69.4 CN2.15
  Bottom w0.25: v2(40.82,23.22) 40.83,23.24 55.82,23.24 58.4,20.66 68.94,20.66 70.3,22.02 77.79,22.02 IC5.16
Net-(CN2-Pad16): length 62.3
  Top w0.25: CN2.16 102.61,68.44 101.87,67.7 99.29,67.7 90.07,58.48 90.07,31 IC5.17
Net-(D7-Pad2): length 45.8
  Top w0.25: Q2.3 81.32,146.08 D7.2
  Bottom w0.25: R6.1 103.62,127.97 83.1,127.97 79.01,132.06 79.01,139.51 77.62,140.9 78.07,141.34 Q2.3
Net-(FB4-Pad1): length 40.6
  Top w0.25: 190.71,27 184.98,32.74 184.98,63.7 FB4.1
Net-(FB5-Pad1): length 12.7
  Bottom w1.5: IC2.20 203.43,60.02
Net-(IC2-Pad5): length 25.2
  Top w0.25: v2(204.38,19.79) 207.12,17.05 207.12,16.45 TC1.1
  Bottom w0.25: X1.2 v2(204.38,19.79) 202.62,21.55 192.21,21.55 191.84,21.92 IC2.5
Net-(IC2-Pad6): length 11
  Bottom w0.25: IC2.6 192.45,22.72 197.46,22.72 199.82,25.09 R21.1
Net-(IC2-Pad11): length 28.7
  Top w0.25: 190.71,37.16 187.59,40.28 R31.2
Net-(IC2-Pad13): length 18.5
  Top w0.25: IC2.13 193.64,39.31 193.64,25.31 R12.2
Net-(IC2-Pad14): length 24.7
  Top w0.25: 190.71,44.78 193.4,44.78 194.95,43.23 194.95,25.7 195.56,25.09 R11.2
Net-(IC3-Pad10): length 30.2
  Bottom w0.25: IC3.10 73.93,120.94 73.93,133.23 71.71,135.45 60.41,135.45 60.04,135.82 MDV-6.4
Net-(IC3-Pad11): length 40
  Bottom w0.25: IC3.11 72.15,120.18 R32.1 72.41,122.34 72.41,129.52 68.47,133.46 57.83,133.46 56.9,134.39 56.9,139.06 58.74,140.9 MDV-6.6 59.49,140.9
Net-(IC3-Pad33): length 10.3
  Bottom w0.25: R7.2 95.15,117.59 95.15,123.07 93.92,124.3 IC3.33
Net-(IC4-Pad4): length 43
  Top w0.25: IC4.4 47.28,55.69 47.28,62.62 53.03,68.37 53.03,84.77 IC6.3
Net-(IC4-Pad5): length 43
  Top w0.25: IC4.5 46.83,53.6 46.83,62.8 52.58,68.55 52.58,82.68 IC6.4
Net-(IC4-Pad6): length 43
  Top w0.25: IC4.6 46.38,51.51 46.38,62.99 52.13,68.74 52.13,80.59 IC6.5
Net-(IC4-Pad7): length 43
  Top w0.25: IC4.7 45.93,49.42 45.93,63.18 51.68,68.93 51.68,78.5 IC6.6
Net-(IC4-Pad8): length 43
  Top w0.25: IC6.7 51.23,76.41 51.23,69.11 45.48,63.36 45.48,47.32 50.65,42.15 IC4.8
Net-(IC4-Pad9): length 43
  Top w0.25: IC6.8 50.77,74.33 50.77,69.3 45.02,63.55 45.02,45.22 50.64,39.61 IC4.9
Net-(IC4-Pad11): length 48.1
  Top w0.25: v2(46.54,34.65) 46.54,35.39 42.37,39.55 42.37,65.95 44.13,67.71 R4.2
  Bottom w0.25: IC4.11 46.66,34.53 v2(46.54,34.65)
Net-(IC4-Pad12): length 24.3
  Top w0.25: v2(44.14,32.05) 44.14,30.9 J6.2 38.47,27.72 36.47,25.72 36.47,22 R3.2
  Bottom w0.25: IC4.12 44.2,31.99 v2(44.14,32.05)
Net-(IC4-Pad19): length 83.4
  Top w0.25: IC6.2 45.75,89.61 45.75,68.69 42.83,65.76 42.83,40.97 47.67,36.12 47.67,17.19 IC4.19
Net-(IC4-Pad22): length 39.2
  Top w0.25: IC4.24 63.77,19.29 62.25,17.78 62.25,16.2 64.25,14.2 65.89,14.2 IC4.22
  Bottom w0.25: IC4.22 58.21,14.21 56.95,12.95 45.9,12.95 42.2,16.65 R1.2
Net-(IC5-Pad22): length 17
  Top w0.25: IC5.22 92.01,14.02 90.73,15.3 90.73,17.55 92.28,19.1 IC5.24
  Bottom w0.25: IC5.24 94.21,19.9 94.21,19.92 95.48,21.19 98.77,21.19 100.19,19.77 100.19,19.76
Net-(IC6-Pad17): length 174.8
  Top w0.25: v2(96.37,134.11) 96.37,134.11 96.37,123.23 98.65,120.95 98.65,87.49 97.34,86.18 v2(96.77,86.18)
  Bottom w0.25: v2(96.77,86.18) 81.55,86.18 80.27,87.46 57.43,87.46 56.99,87.02 IC6.17 ; v2(96.37,134.11) 100.17,134.11 101.94,135.88 120.6,135.88 126.17,141.45 160.94,141.45 170.48,150.99 JK4.5
Net-(IC7-Pad1): length 21.2
  Top w2: IC7.1 20.5,47.88 20.5,56.3 17.7,59.1 17.7,63.75 18.24,64.29 Q1.1
Net-(IC7-Pad2): length 12.6
  Top w2: IC7.2 19.68,45.03 15.7,41.05 R24.2
Net-(IC7-Pad11): length 56.6
  Top w0.25: R22.2 40.52,75.96 40.52,39.03 43.29,36.26 v2(43.29,36.23)
  Bottom w0.25: IC7.11 35.6,34.87 36.96,36.23 v2(43.29,36.23)
Net-(IC8-Pad1): length 5.3
  Top w0.25: IC8.1 158.36,18.33 157.68,17.65 JP8.1
Net-(IC8-Pad27): length 55.2
  Top w0.25: IC8.27 141.65,23.39 141.65,25.22 139.98,26.9 139.98,61.79 140.68,62.49 v2(140.68,65.25)
  Bottom w0.25: v2(140.68,65.25) 136.68,65.25 135.6,66.33 133.25,66.33 R20.2
Net-(IC12-Pad1): length 68.6
  Top w0.25: 175.47,44.78 174.34,44.78 172.1,47.02 172.1,75.22 177.03,80.15 177.03,104.51 179.64,107.12 IC12.1
Net-(IC12-Pad2): length 62.5
  Top w0.25: 175.47,47.32 174.34,47.32 172.55,49.11 172.55,75.04 177.53,80.01 177.53,101.42 IC12.2
Net-(IC12-Pad3): length 78.6
  Top w0.25: IC12.3 177.98,99.33 177.98,79.83 173,74.85 173,50.45 173.59,49.86 IC2.25
  Bottom w0.25: 200.43,98.64 199.3,98.64 199.29,98.65 192.18,98.65 190.07,100.75 181.98,100.75 IC12.3
Net-(IC12-Pad4): length 26.1
  Bottom w0.25: IC99913.4 201.85,99.76 201.85,98.05 201.15,97.35 189.73,97.35 188.85,98.23 181.97,98.23 IC12.4
Net-(IC12-Pad12): length 10.3
  Top w0.25: R29.2 192.56,98.86 190.66,96.96 IC12.12
Net-(IC13-Pad10): length 11
  Bottom w0.25: IC13.10 183.68,119.35 183.01,120.02 183.01,122.24 IC13.3
Net-(IC13-Pad13): length 7.6
  Bottom w0.25: 188.44,126.97 180.82,126.97
Net-(IC16-Pad3): length 10.2
  Top w0.25: R6.2 104.57,122.72 106.32,124.47 IC16.3
Net-(J3-Pad3): length 10.9
  Top w0.25: J5.3 v2(143.51,56.67) ; v2(151.27,56.68) 151.27,57.68 151.32,57.72 J3.3
  Bottom w0.25: v2(143.51,56.67) 143.52,56.68 v2(151.27,56.68)
Net-(JK3-Pad1): length 11.4
  Top w0.25: JK3.1 136,155.45 136,146.81
  Bottom w1.5: JK3.1 JK3.1
Net-(JK3-Pad2): length 9.3
  Top w0.25: JK3.2 139.64,151.89 139.64,146.81
  Bottom w1.5: JK3.2 JK3.2
Net-(JK3-Pad4): length 182.8
  Top w0.25: v2(99.67,86.34) 99.67,121.41 98.4,122.68 98.4,132.88 100.03,134.5 v2(100.03,139.09)
  Bottom w0.25: R28.1 39.35,83.27 59.19,83.27 61.67,85.75 78.95,85.75 82.26,82.44 98.56,82.44 99.67,83.55 v2(99.67,86.34) ; v2(100.03,139.09) 120.09,139.09 130.08,149.08 138.75,149.08 145.28,155.61 146.96,155.61 146.97,155.6 JK3.4
  Bottom w1.5: JK3.4 JK3.4
Net-(JK4-Pad1): length 24.7
  Top w1: RY1.11 164.43,137.79 157.98,144.24 v1(157.98,145.37)
  Bottom w1: JK4.1 v1(157.98,145.37)
Net-(JK4-Pad3): length 11.1
  Bottom w1.5: JK4.3 173.04,155.6 173.14,155.5 173.14,150.61 171.2,148.67 RY1.14
Net-(MDV-6-Pad2): length 75.5
  Bottom w0.25: SW2.5 77.2,163.04 75.88,161.72 55.36,161.72 49.96,156.32 49.96,132.8 52.33,130.43 61.79,130.43 63.16,129.06 63.16,126.74 62.08,125.66 MDV-6.2
Net-(Q1-Pad3): length 32.6
  Bottom w1.5: Q1.3 18.74,69.37 15.7,66.33 R24.1 15.59,45.49 R25.2
Net-(Q2-Pad2): length 16.4
  Top w0.25: Q2.2 76.8,145.08 75.62,143.9 74.58,143.9 72.15,141.48 R32.2

## Copper pours and planes (outline as drawn; the poured copper is in the pictures)
GND on Top: -17,192.15 265.35,191.8 265.7,-14.7 -20.17,-15.75 -17,192.18
GND on Bottom: 256.55,-10.25 -11.1,-10.25 -11.12,184.8 -11.1,184.78 256.78,185.03

## Text on the board
B.SilkS: OH BOY!
F.SilkS: +5V | QCLK | ECLK | Solder JP8 to use / a 256Kb EPROM. | REV 1.0.0 | PCB By Rocky Hill. / Based on the / 20261044 | https://github.com/qbancoffee/coco_motherboards | ZIGGY
